# Allegro board BRD_05101_01_rev_b01_aa.brd (continued)
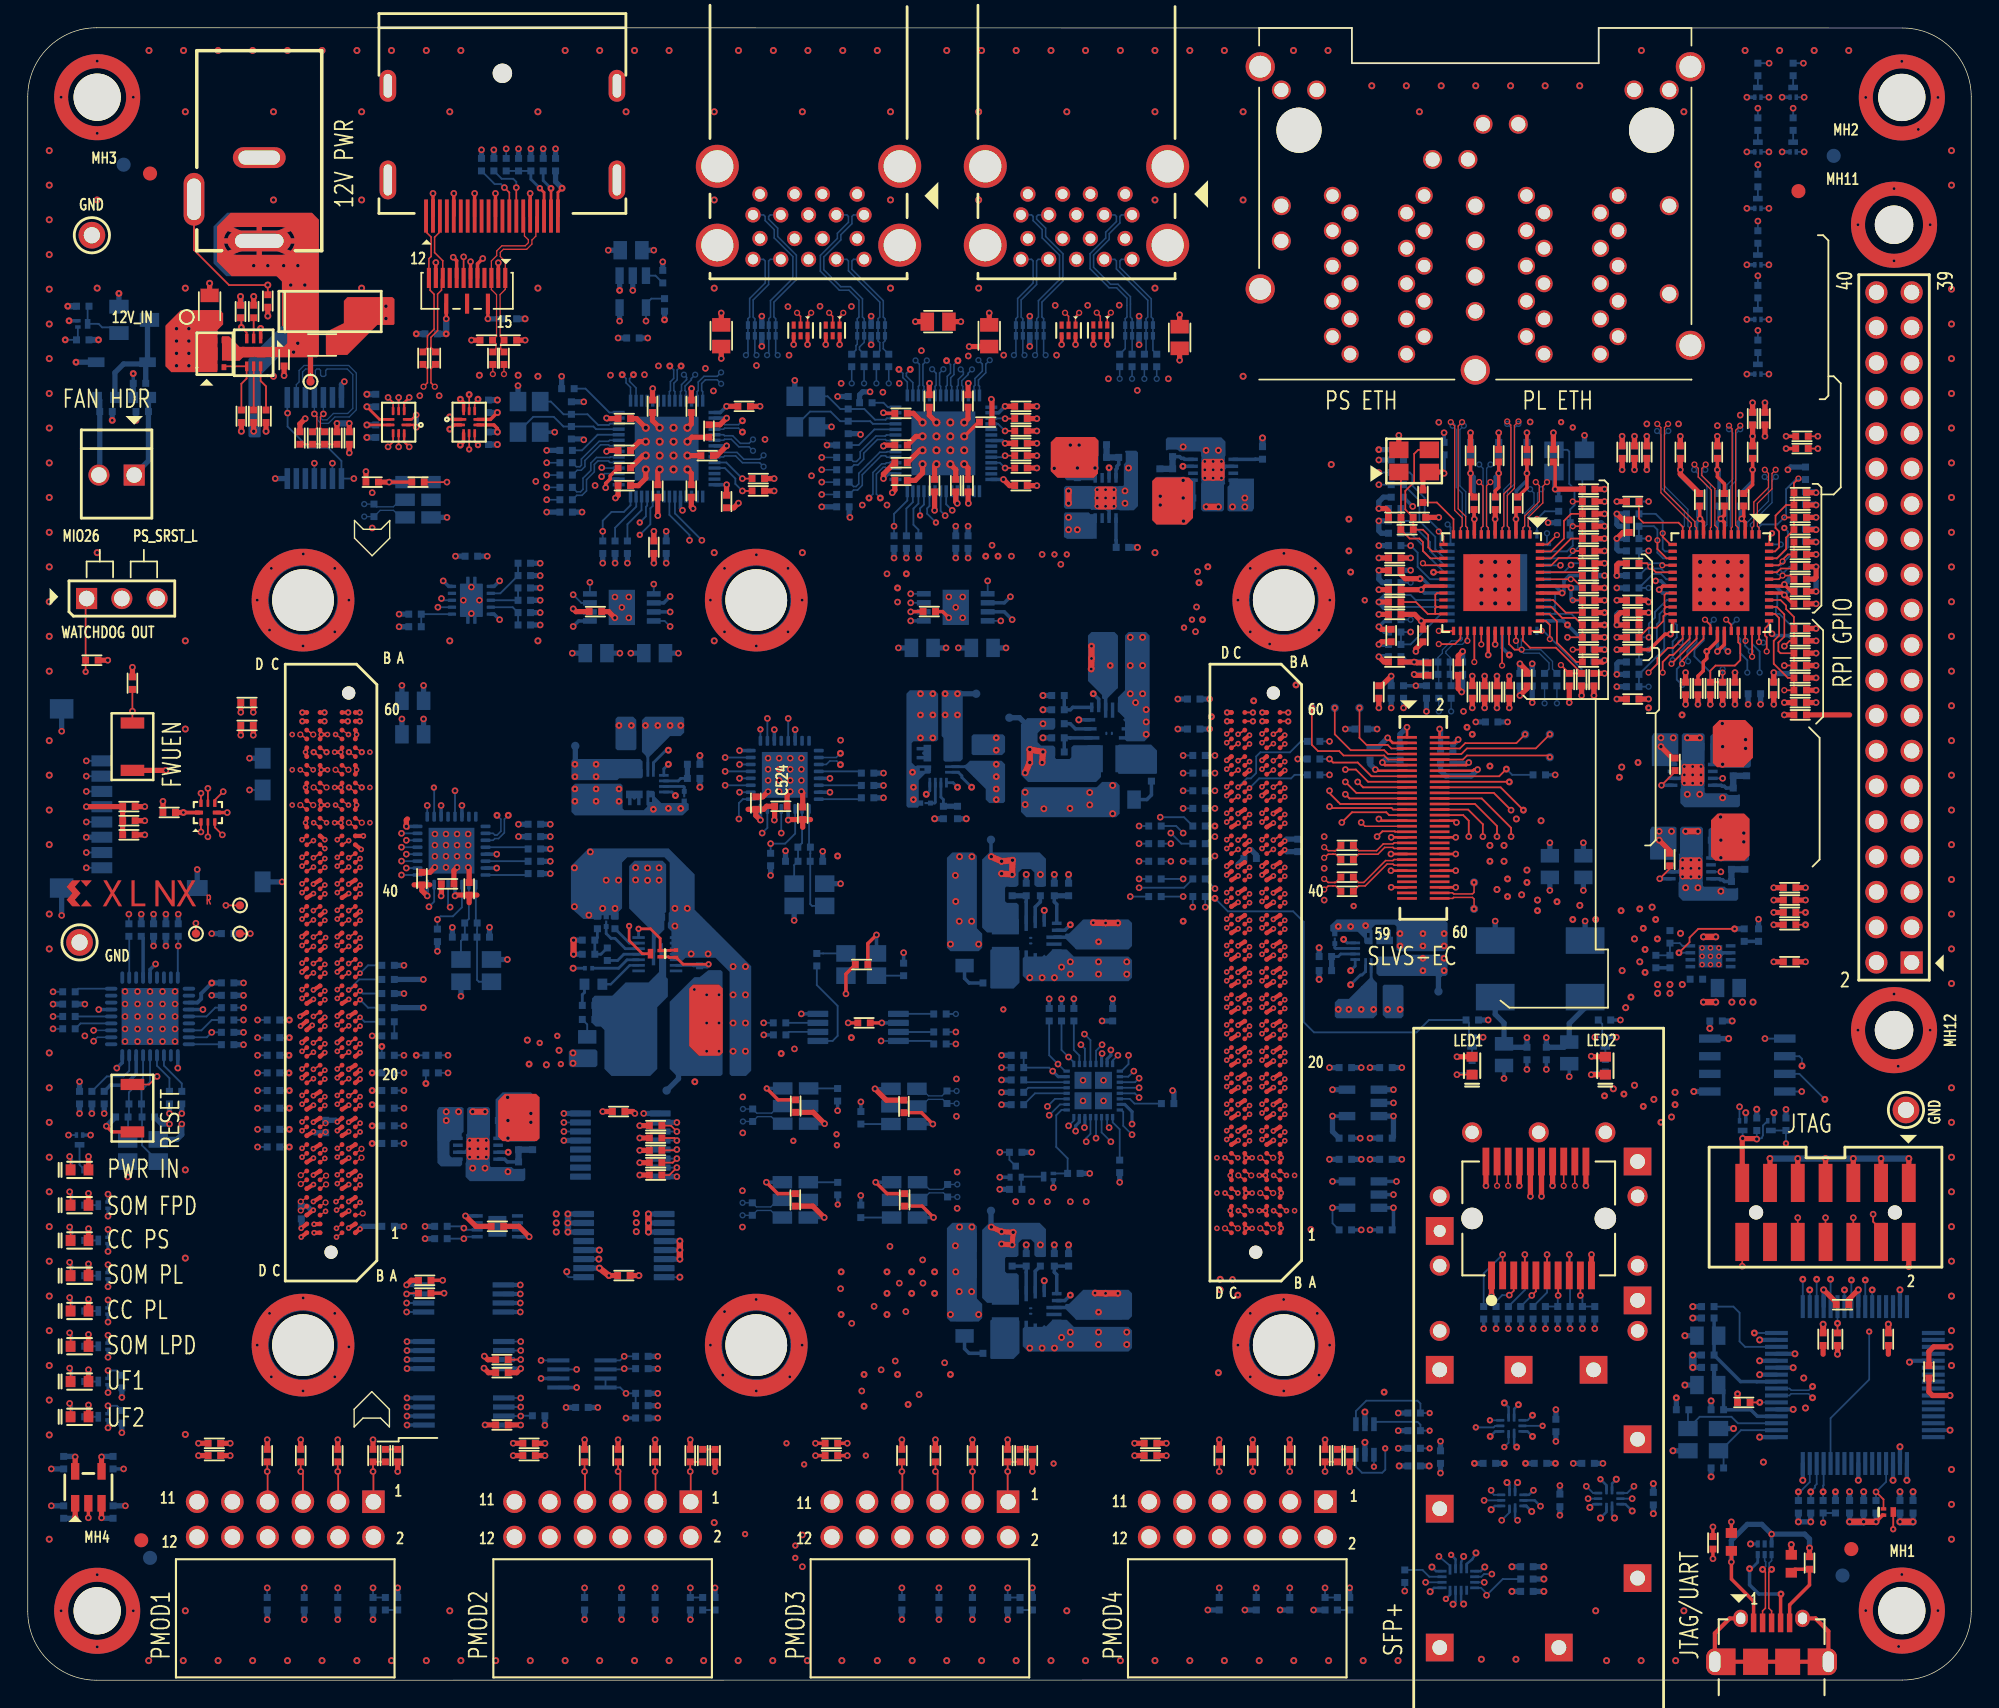
[diagram p0: board, top side]
## Routing (per net, layer and track width the routed paths; a pad name or vN(x,y) marks a point on that pad's centre or on a via; arc(x,y) is an arc through that point) (continued)
  TOP w0.381: C372.2 v5(24.87,17.32) ; v5(19.99,90.85) 19.6,90.47 R171.2 ; J23.20 v5(105.05,35.61) ; C412.2 v5(95.23,15.03) ; v9(65.46,90.57) 64.94,91.09 C520.2 ; C513.2 63.99,89.57 v9(64.46,89.57) ; J23.17 v5(107.45,35.61) ; R120.2 v5(113.59,84.88) ; C377.2 v5(19.66,17.32) ; R206.2 v5(31.97,96.5) ; C296.2 43.99,86.03 44.52,86.56 v9(44.52,87.19) ; v9(64.46,88.57) 64.26,88.57 C527.2 ; C207.2 v7(17.29,98.24) ; v9(45.52,90.19) 45,90.71 C286.2 ; C164.2 v5(97.33,70.02) ; C524.2 54.7,63.77 v5(54.93,64) ; C166.2 v5(97.33,76.75) ; C402.2 v5(70.59,17.32) ; C464.2 v5(120.32,70.28) ; v9(67.46,90.57) 67.74,90.85 C519.2 ; v5(57.4,40.08) 56.58,40.9 C589.2 ; C159.2 v5(97.33,78.53) ; R393.2 v5(128.83,85.52) ; C565.2 v5(9.74,63.29) ; C147.2 97.51,75.68 v5(97.33,75.87) ; C49.2 v7(44.02,29.14) ; C152.2 v5(104.95,70.02) ; J23.14 v5(109.85,35.61) ; v9(67.46,87.57) 67.74,87.3 C528.2 ; C469.2 v5(119.05,87.17) 119.05,86.86 C467.2 ; C578.2 v5(24.36,87.04) ; X10.4 v5(98.77,89.65) ; C525.2 52.95,63.62 v5(53.33,64) ; C417.2 v5(82.02,17.06) ; C291.2 47.53,88.18 v9(47.52,88.19) ; C284.2 50.86,84.43 v5(51.2,84.77) ; C398.2 v5(40.11,17.32) ; C324.2 v5(15.34,68.05) ; C276.2 28.97,58.18 v5(29.33,58.54) ; R392.2 v5(128.83,83.74) ; J3.11 v7(125.51,37.57) ; v5(102.03,86.91) 101.94,87 X10.2 100.5,86.54 R126.2 ; C484.2 v5(124.25,92) ; C424.2 v5(126.54,69.52) ; C74.2 43.6,40.95 v5(43.73,40.81) ; J3.3 v7(133.51,37.57) ; C588.2 61.85,41.77 v5(61.03,42.59) ; R119.2 v5(113.59,83.1) ; C234.2 v7(15.39,89.94) ; R116.2 v5(113.59,77.77) ; v5(103.3,71.17) 103.04,71.42 C156.2 ; C477.2 v5(128.83,77.52) ; v9(65.46,87.57) 65.32,87.44 C526.2 ; C165.2 108,71.42 v5(107.49,70.91) ; C295.2 44.05,89.19 v9(44.52,89.19) ; R122.2 v5(111.04,70.4) ; C479.2 v5(115.74,89.58) ; C303.2 43.86,90.85 v9(44.52,90.19) ; J23.10 v5(112.65,30.65) ; v9(45.52,87.19) 45.39,87.06 C297.2 ; C587.2 56.56,34.14 v5(57.38,33.32) ; C475.2 v5(114.47,70.66) ; C157.2 97.71,73.33 v5(97.33,73.71) ; C379.2 v5(17.25,17.32) ; J3.1 v7(135.51,37.57) ; v5(30.93,58.54) 30.7,58.31 C275.2 ; C418.2 v5(90.91,17.32) ; C238.2 v5(14.59,17.06) ; R394.2 v5(128.83,71.29) ; R389.2 v5(128.83,74.85) ; C390.2 v5(47.72,17.32) ; v9(47.52,87.19) 47.8,86.91 C300.2 ; C272.2 v5(49.96,95.18) ; C292.2 v5(52.75,91.74) ; C406.2 v5(68.05,17.32) ; C283.2 47.8,90.47 v9(47.52,90.19) ; C514.2 63.93,86.41 64.46,86.94 v9(64.46,87.57) ; C236.2 v5(7.54,72.95) ; J3.9 v7(127.51,37.57) ; R121.2 v5(113.59,74.21) ; v9(66.46,87.57) 66.85,87.18 C516.2 ; SW1.1 v5(9.95,65.52) ; R391.2 v5(128.83,81.96) ; C369.2 v5(8.43,62.91) ; v9(44.52,88.19) 44.32,88.19 C298.2 ; C517.2 v5(72.69,86.03) ; C93.2 136.95,23.67 137.29,24.01 v7(138.47,24.01) ; C486.2 v5(114.47,74.21) ; C205.2 v5(18.47,93.95) ; C482.2 v5(128.83,78.41) ; C154.2 v5(112.82,70.91) ; C577.2 v5(32.94,18.39) ; C153.2 v5(97.33,80.82) ; C476.2 114.91,82.65 v5(114.47,82.22) ; C317.2 41.85,76.95 v5(42.3,76.51) ; C426.2 v5(125.78,57.07) ; C145.2 v5(110.03,85.77) ; C235.2 v7(15.33,99.65) ; C285.2 v5(45.1,80.45) ; C370.2 v5(26.65,15.03) ; C529.2 v5(72.69,91.74) ; v5(99.87,72.44) 99.94,72.37 C146.2 ; C478.2 114.73,76.88 114.47,76.63 114.47,75.99 v5(114.47,75.99) C463.2 ; R118.2 v5(113.59,81.33) ; C294.2 v5(82.98,95.06) ; C299.2 47.84,89.51 v9(47.52,89.19) ; C465.2 v5(128.83,70.4) ; v5(31.73,58.54) 31.8,58.47 C277.2 ; C400.2 v5(72.37,15.03) ; C466.2 v5(122.98,70.28) ; J23.11 v5(112.25,35.61) ; C408.2 v5(65.38,17.32) ; C274.2 v5(67.22,97.84) ; J23.1 v5(105.45,27.71) ; C414.2 v5(93.45,17.32) ; C155.2 v5(105.84,70.02) ; R402.2 v5(114.47,84.88) ; C420.2 v5(88.24,17.32) ; C203.2 v7(13.1,100.6) ; C555.2 v5(101.65,83.74) ; R79.1 v2(123.17,20.62) ; C394.2 v5(42.52,17.32) ; C481.2 v5(114.47,77.77) ; C110.2 v5(23.16,88.38) ; C94.2 131.18,27.42 v7(131.87,28.11) ; C485.2 v5(125.78,70.28) ; C436.2 35.37,32.69 v5(36.12,31.94) ; R396.2 v5(122.09,70.28) ; v5(97.33,84.37) 97.84,84.37 98.02,84.19 C556.2 ; v9(64.46,90.57) 63.8,91.23 C530.2 ; C427.2 v5(125.78,56.18) ; R135.2 v7(16.28,99.65) ; C396.2 v5(37.26,16.18) ; C163.2 v5(97.33,79.93) ; C557.2 v5(8.43,61.9) ; R390.2 v5(128.83,73.07) ; R117.2 v5(113.58,75.1) ; v5(32.86,22.47) 33.19,22.14 C53.2 ; C474.2 v5(119.43,70.28) ; C144.2 v5(106.73,70.02) ; v5(100,74.09) 100,74.27 C162.2 ; v6(134.77,2.43) 134.78,2.41 MH1.1 ; C410.2 v5(62.97,17.32) ; C425.2 v5(125.78,51.74) ; C374.2 v5(22.33,17.32) ; C293.2 v5(67.82,96.04) ; C206.2 v7(17.16,89.94) ; v5(55.73,64) 55.83,63.9 C523.2 ; C515.2 v5(72.69,89.07) ; C388.2 v5(49.51,15.03) ; C376.2 v5(14.59,16.18) ; C416.2 v5(82.02,16.18) ; C470.2 v5(114.85,89.58) ; C422.2 v5(85.83,17.32) ; C323.2 v5(15.34,69.7) ; L5.1 v7(127.04,9.77) ; C392.2 v5(45.19,17.32) ; C468.2 v5(116.63,87.17) ; R462.2 v5(8.43,60.88) ; J3.5 v7(131.51,37.57) ; J3.7 v7(129.51,37.57) ; C158.2 v5(104.06,70.02) ; C483.2 v5(125.14,92) ; C397.2 v5(37.26,17.06)
  TOP w0.432: C97.2 v7(134.03,25.64) ; C96.2 v7(129.33,25.64)
  TOP w0.457: v7(85.77,84.5) v7(84.88,84.5) ; v7(119.43,61.13) v7(120.32,61.13) ; v7(46.97,31.63) v7(46.97,30.98) v7(46.97,30.33) ; v7(74.98,84.76) v7(74.98,85.64) ; v7(121.6,48.83) v7(120.71,48.83) ; v7(131.24,11.41) v7(132.25,11.41) v7(133.14,11.41) ; v7(134.87,11.41) v7(135.81,11.41) ; v7(119.55,67.86) v7(120.44,67.86) ; v7(121.6,53.53) v7(120.71,53.53) ; v7(32.05,40.94) v7(32.94,40.94)
  L03_SIG w0.127: 3.67,105.01 J17.1 ; J17.1 5.57,103.11 ; J17.1 4.62,105.33 ; J17.1 3.67,103.11 ; J17.1 5.89,104.06 ; J17.1 5.57,105.01 ; J17.1 4.62,102.79 ; J17.1 3.35,104.06
  L03_SIG w0.381: J6.23 27.1,114.82 ; J6.23 27.1,116.53 ; J6.23 25.94,116.53 ; J6.23 25.94,113.11 ; J6.23 27.1,113.11 ; J6.23 24.78,113.11 ; J6.23 24.78,114.82 ; J6.23 24.78,116.53 ; J2.9 15.86,12.85 ; J2.9 15.58,13.69 ; J2.9 15.58,12.01 ; J2.9 14.74,13.97 ; J2.9 13.62,12.85 ; J2.9 13.9,13.69 ; J2.9 14.74,11.74 ; J2.9 13.9,12.01 ; 36.48,10.31 J18.10 ; J18.10 36.76,9.47 ; J18.10 38.44,11.15 ; J18.10 36.76,11.15 ; J18.10 38.72,10.31 ; J18.10 38.44,9.47 ; J18.10 37.6,11.43 ; J18.10 37.6,9.2 ; J10.SH4 88.78,117.81 ; J10.SH4 87.17,116.19 ; J10.SH4 88.78,114.58 ; J10.SH4 89.97,117.38 ; J10.SH4 90.39,116.19 ; J10.SH4 87.59,117.38 ; J10.SH4 87.59,115 ; U46.22 83.66,107.48 ; U46.22 80.58,110.56 ; U46.22 84.23,109.02 ; U46.22 82.12,106.91 ; U46.22 82.12,111.13 ; U46.22 83.66,110.56 ; J2.10 14.74,11.43 ; J2.10 13.9,9.47 ; J2.10 15.86,10.31 ; J2.10 13.62,10.31 ; J2.10 14.74,9.2 ; J2.10 15.58,11.15 ; J2.10 15.58,9.47 ; J2.10 13.9,11.15 ; 88.78,98.58 J10.SH5 ; J10.SH5 87.59,101.38 ; J10.SH5 87.17,100.19 ; J10.SH5 90.39,100.19 ; J10.SH5 88.78,101.8 ; J10.SH5 89.97,101.38 ; J10.SH5 89.97,99 ; J10.SH5 87.59,99 ; 42.44,106.33 J6.21 ; J6.21 41.54,106.33 ; J6.21 42.44,109.74 ; J6.21 41.54,109.74 ; J6.21 41.54,108.04 ; J6.21 43.35,109.74 ; J6.21 43.35,108.04 ; J6.21 43.35,106.33 ; J24.10 105.33,39.45 ; J24.10 105,38.49 ; J24.10 105,40.41 ; J24.10 104.05,38.17 ; J24.10 103.09,40.41 ; J24.10 103.09,38.49 ; J24.10 104.05,40.74 ; J24.10 102.76,39.45 ; U46.21 83.66,104.88 ; U46.21 82.12,101.23 ; U46.21 84.23,103.34 ; U46.21 83.66,101.8 ; U46.21 82.12,105.45 ; J24.11 108.85,40.74 ; J24.11 107.56,39.45 ; J24.11 107.89,40.41 ; J24.11 108.85,38.17 ; J24.11 109.8,40.41 ; J24.11 109.8,38.49 ; J24.11 107.89,38.49 ; J24.11 110.13,39.45 ; 100.43,34.85 J24.9 ; J24.9 101.72,36.14 ; J24.9 102.67,33.89 ; J24.9 103,34.85 ; J24.9 102.67,35.81 ; J24.9 100.76,35.81 ; J24.9 100.76,33.89 ; J12.2 19.14,109.65 ; J12.2 14.22,108.34 ; J12.2 14.22,110.96 ; J12.2 19.14,108.34 ; J12.2 19.14,110.96 ; J12.2 16.68,108.34 ; J12.2 16.68,110.96 ; J12.2 14.22,109.65 ; 41.28,114.82 J6.22 ; J6.22 43.6,114.82 ; J6.22 41.28,116.53 ; J6.22 43.6,113.11 ; J6.22 43.6,116.53 ; J6.22 42.44,116.53 ; J6.22 42.44,113.11 ; J6.22 41.28,113.11 ; 100.16,32.35 J24.8 ; J24.8 100.56,33.51 ; J24.8 100.56,31.2 ; 25.04,109.74 J6.24 ; J6.24 25.04,106.33 ; J6.24 25.94,106.33 ; J6.24 26.85,106.33 ; J6.24 25.04,108.04 ; J6.24 25.94,109.74 ; J6.24 26.85,108.04 ; J6.24 26.85,109.74 ; 48.13,110.56 U44.19 47.67,109.87 ; 37.13,11.76 J18.9 37.6,11.74
  L03_SIG w0.457: v2(42.59,68.75) v2(43.48,68.75) ; v2(69.77,67.86) v2(69.77,66.98)
  L05_SIG w0.127: 4.62,102.79 J17.1 ; J17.1 3.67,105.01 ; J17.1 3.35,104.06 ; J17.1 5.57,105.01 ; J17.1 5.57,103.11 ; J17.1 3.67,103.11 ; J17.1 4.62,105.33 ; J17.1 5.89,104.06
  L05_SIG w0.381: J10.D10 95.97,96.2 ; J10.D10 95.97,94.79 ; J10.D10 94.33,95.49 ; J10.D10 95.26,96.42 ; J10.D10 95.26,94.57 ; J10.D10 96.19,95.49 ; J10.D10 94.55,94.79 ; 71.41,103.18 U46.13 ; U46.13 72.05,104.65 ; U46.13 71.22,103.82 ; U46.13 72.69,104.46 ; U46.13 72.88,103.82 ; U46.13 72.05,102.99 ; U46.13 71.41,104.46 ; U46.13 72.69,103.18 ; 41.54,106.33 J6.21 ; J6.21 41.54,108.04 ; J6.21 42.44,109.74 ; J6.21 43.35,108.04 ; J6.21 43.35,106.33 ; J6.21 41.54,109.74 ; J6.21 43.35,109.74 ; J6.21 42.44,106.33 ; U44.16 56.24,103.15 ; U44.16 56.88,101.68 ; U44.16 56.24,101.49 ; U44.16 55.61,101.68 ; U44.16 55.61,102.96 ; U44.16 55.42,102.32 ; U44.16 57.07,102.32 ; U44.16 56.88,102.96 ; 68.98,101.23 U46.20 ; U46.20 70.52,104.88 ; U46.20 71.09,103.34 ; U46.20 66.87,103.34 ; U46.20 68.98,105.45 ; U46.20 67.44,101.8 ; U46.20 67.44,104.88 ; U46.20 70.52,101.8 ; 87.59,117.38 J10.SH4 ; J10.SH4 89.97,117.38 ; J10.SH4 88.78,117.81 ; J10.SH4 88.78,114.58 ; J10.SH4 87.17,116.19 ; J10.SH4 87.59,115 ; J10.SH4 90.39,116.19 ; 108.52,94.79 J10.B10 ; J10.B10 108.3,95.49 ; J10.B10 109.23,94.57 ; J10.B10 110.16,95.49 ; J10.B10 109.94,94.79 ; J10.B10 109.94,96.2 ; J10.B10 109.23,96.42 ; U46.16 76.19,102.96 ; U46.16 76.38,102.32 ; U46.16 75.55,101.49 ; U46.16 76.19,101.68 ; U46.16 74.91,101.68 ; U46.16 74.91,102.96 ; U46.16 75.55,103.15 ; U46.16 74.72,102.32 ; 42.44,113.11 J6.22 ; J6.22 41.28,114.82 ; J6.22 43.6,113.11 ; J6.22 42.44,116.53 ; J6.22 41.28,113.11 ; J6.22 41.28,116.53 ; J6.22 43.6,114.82 ; J6.22 43.6,116.53 ; 98.4,95.49 J10.C10 ; J10.C10 98.62,96.2 ; J10.C10 99.32,96.42 ; J10.C10 100.03,94.79 ; J10.C10 99.32,94.57 ; J10.C10 98.62,94.79 ; J10.C10 100.25,95.49 ; 75.55,104.69 U46.7 ; U46.7 75.55,106.35 ; U46.7 76.19,104.88 ; U46.7 74.91,106.16 ; U46.7 76.19,106.16 ; U46.7 74.72,105.52 ; U46.7 76.38,105.52 ; U46.7 74.91,104.88 ; J6.23 27.1,113.11 ; J6.23 25.94,113.11 ; J6.23 24.78,116.53 ; J6.23 27.1,114.82 ; J6.23 24.78,114.82 ; J6.23 25.94,116.53 ; J6.23 24.78,113.11 ; J6.23 27.1,116.53 ; 62.81,101.23 U44.21 ; U44.21 61.27,101.8 ; U44.21 61.27,104.88 ; U44.21 64.92,103.34 ; U44.21 64.36,101.8 ; U44.21 64.36,104.88 ; U44.21 60.71,103.34 ; U44.21 62.81,105.45 ; U44.20 51.22,101.8 ; U44.20 48.13,101.8 ; U44.20 51.22,104.88 ; U44.20 48.13,104.88 ; U44.20 49.67,101.23 ; U44.20 47.57,103.34 ; U44.20 49.67,105.45 ; U44.20 51.78,103.34 ; 56.24,104.69 U44.7 ; U44.7 55.61,104.88 ; U44.7 57.07,105.52 ; U44.7 55.61,106.16 ; U44.7 56.24,106.35 ; U44.7 56.88,106.16 ; U44.7 56.88,104.88 ; U44.7 55.42,105.52 ; U44.13 53.57,103.82 ; U44.13 52.74,104.65 ; U44.13 51.92,103.82 ; U44.13 53.38,103.18 ; U44.13 52.11,104.46 ; U44.13 52.11,103.18 ; U44.13 52.74,102.99 ; U44.13 53.38,104.46 ; U46.21 84.23,103.34 ; U46.21 83.66,101.8 ; U46.21 82.12,101.23 ; U46.21 82.12,105.45 ; U46.21 83.66,104.88 ; U46.21 80.58,104.88 ; U46.21 80.01,103.34 ; U46.21 80.58,101.8 ; 25.04,106.33 J6.24 ; J6.24 25.94,106.33 ; J6.24 25.04,108.04 ; J6.24 26.85,109.74 ; J6.24 25.04,109.74 ; J6.24 25.94,109.74 ; J6.24 26.85,106.33 ; J6.24 26.85,108.04 ; 51.92,107.02 U44.4 ; U44.4 52.74,106.19 ; U44.4 52.74,107.85 ; U44.4 52.11,107.66 ; U44.4 52.11,106.38 ; U44.4 53.38,107.66 ; U44.4 53.57,107.02 ; U44.4 53.38,106.38 ; 48.13,110.56 U44.19 ; U44.19 49.67,106.91 ; U44.19 48.13,107.48 ; U44.19 51.22,110.56 ; U44.19 47.57,109.02 ; U44.19 51.22,107.48 ; U44.19 49.67,111.13 ; U44.19 51.78,109.02 ; 82.12,106.91 U46.22 ; U46.22 80.58,107.48 ; U46.22 80.01,109.02 ; U46.22 83.66,107.48 ; U46.22 83.66,110.56 ; U46.22 84.23,109.02 ; U46.22 82.12,111.13 ; U46.22 80.58,110.56 ; U46.4 72.05,107.85 ; U46.4 71.41,106.38 ; U46.4 72.88,107.02 ; U46.4 71.22,107.02 ; U46.4 72.05,106.19 ; U46.4 72.69,106.38 ; U46.4 71.41,107.66 ; U46.4 72.69,107.66 ; U46.19 70.52,110.56 ; U46.19 70.52,107.48 ; U46.19 67.44,107.48 ; U46.19 68.98,111.13 ; U46.19 71.09,109.02 ; U46.19 68.98,106.91 ; U46.19 67.44,110.56 ; U46.19 66.87,109.02 ; 16.68,108.34 J12.2 ; J12.2 14.22,109.65 ; J12.2 14.22,108.34 ; J12.2 16.68,110.96 ; J12.2 14.22,110.96 ; J12.2 19.14,108.34 ; J12.2 19.14,109.65 ; J12.2 19.14,110.96 ; J10.SH5 88.78,101.8 ; J10.SH5 87.59,101.38 ; J10.SH5 87.59,99 ; J10.SH5 89.97,101.38 ; J10.SH5 90.39,100.19 ; J10.SH5 89.97,99 ; J10.SH5 87.17,100.19 ; J10.SH5 88.78,98.58 ; 61.27,107.48 U44.22 ; U44.22 61.27,110.56 ; U44.22 62.81,111.13 ; U44.22 64.36,107.48 ; U44.22 62.81,106.91 ; U44.22 64.92,109.02 ; U44.22 64.36,110.56 ; U44.22 60.71,109.02
  L06_GND w0.127: 2.78,52.18 J16.1 ; J16.1 2.78,54.08 ; J16.1 4.68,54.08 ; J16.1 4.68,52.18 ; 134.35,42.02 J15.1 ; J15.1 134.35,40.12 ; J15.1 136.25,40.12 ; J15.1 136.25,42.02 ; 3.67,103.11 J17.1 ; J17.1 3.67,105.01 ; J17.1 5.57,105.01 ; J17.1 5.57,103.11
  L06_GND w0.381: J24.16 117.21,28.6 ; J24.16 114.72,26.11 ; J24.16 114.72,28.6 ; J24.16 117.21,26.11 ; 132.3,93.19 J21.34 ; J21.34 134.04,93.19 ; J21.34 134.04,91.46 ; J21.34 132.3,91.46 ; J24.20 117.21,6.11 ; J24.20 114.72,8.6 ; J24.20 114.72,6.11 ; J24.20 117.21,8.6 ; 134.84,62.71 J21.9 ; J21.9 134.84,60.98 ; J21.9 136.58,60.98 ; J21.9 136.58,62.71 ; J10.SH3 105.56,95.63 ; J10.SH3 102.99,95.63 ; J10.SH3 102.99,93.07 ; J10.SH3 105.56,93.07 ; 41.16,112.98 J6.22 ; J6.22 41.16,116.66 ; J6.22 43.73,112.98 ; J6.22 43.73,116.66 ; 24.66,116.66 J6.23 ; J6.23 27.23,112.98 ; J6.23 27.23,116.66 ; J6.23 24.66,112.98 ; 36.67,11.24 J18.10 ; J18.10 38.53,9.38 ; J18.10 38.53,11.24 ; J18.10 36.67,9.38 ; 14.09,108.21 J12.2 ; J12.2 19.26,111.08 ; J12.2 14.09,111.08 ; J12.2 19.26,108.21 ; 109.05,1.11 J24.1 ; J24.1 111.54,1.11 ; J24.1 109.05,3.6 ; J24.1 111.54,3.6 ; 61.18,110.65 U44.22 ; U44.22 64.45,107.39 ; U44.22 64.45,110.65 ; U44.22 61.18,107.39 ; J19.9 61.39,13.78 ; J19.9 61.39,11.92 ; J19.9 59.53,11.92 ; J19.9 59.53,13.78 ; J24.14 117.01,33.8 ; J24.14 117.01,35.9 ; J24.14 114.92,33.8 ; J24.14 114.92,35.9 ; 127.02,3.52 J4.11 ; J4.11 128.68,5.38 ; J4.11 128.68,3.52 ; J4.11 127.02,5.38 ; 25.04,106.33 J6.24 ; J6.24 25.04,109.74 ; J6.24 26.85,106.33 ; J6.24 26.85,109.74 ; 74.82,104.79 U46.7 ; U46.7 76.28,104.79 ; U46.7 74.82,106.25 ; U46.7 76.28,106.25 ; J24.4 108.64,23.6 ; J24.4 108.64,21.11 ; J24.4 106.15,21.11 ; J24.4 106.15,23.6 ; 48.04,110.65 U44.19 ; U44.19 48.04,107.39 ; U44.19 51.31,107.39 ; U44.19 51.31,110.65 ; J10.B10 110.03,94.7 ; J10.B10 110.03,96.29 ; J10.B10 108.43,94.7 ; 114.72,38.6 J24.13 ; J24.13 114.72,36.11 ; J24.13 117.21,36.11 ; J24.13 117.21,38.6 ; J21.14 134.04,66.06 ; J21.14 134.04,67.79 ; J21.14 132.3,67.79 ; J21.14 132.3,66.06 ; 100.67,28.8 J24.7 ; J24.7 100.67,30.9 ; J24.7 102.76,30.9 ; J24.7 102.76,28.8 ; J19.10 61.39,11.24 ; J19.10 61.39,9.38 ; J19.10 59.53,9.38 ; J19.10 59.53,11.24 ; 98.53,96.29 J10.C10 ; J10.C10 100.12,94.7 ; J10.C10 98.53,94.7 ; J24.18 114.04,21.11 ; J24.18 114.04,23.6 ; J24.18 111.55,21.11 ; J24.18 111.55,23.6 ; J24.15 117.01,28.8 ; J24.15 114.92,30.9 ; J24.15 114.92,28.8 ; J24.15 117.01,30.9 ; J21.25 136.58,81.3 ; J21.25 136.58,83.03 ; J21.25 134.84,83.03 ; J21.25 134.84,81.3 ; J21.6 134.04,55.9 ; J21.6 132.3,57.63 ; J21.6 134.04,57.63 ; J21.6 132.3,55.9 ; J10.SH1 121.05,117.47 ; J10.SH1 121.05,114.91 ; J10.SH1 118.49,117.47 ; J4.10 124.23,3.52 ; J4.10 122.57,3.52 ; J4.10 124.23,5.38 ; J4.10 122.57,5.38 ; 114.72,18.6 J24.19 ; J24.19 117.21,16.11 ; J24.19 114.72,16.11 ; J24.19 117.21,18.6 ; J24.10 105.09,38.4 ; J24.10 103,40.5 ; J24.10 105.09,40.5 ; J24.10 103,38.4 ; 132.3,88.11 J21.30 ; J21.30 132.3,86.38 ; J21.30 134.04,86.38 ; J21.30 134.04,88.11 ; 87.5,98.91 J10.SH5 ; J10.SH5 90.06,101.47 ; J10.SH5 90.06,98.91 ; J10.SH5 87.5,101.47 ; 71.32,107.75 U46.4 ; U46.4 71.32,106.29 ; U46.4 72.78,107.75 ; U46.4 72.78,106.29 ; J24.9 102.76,33.8 ; J24.9 102.76,35.9 ; J24.9 100.67,35.9 ; J24.9 100.67,33.8 ; 82.39,11.92 J20.9 ; J20.9 84.25,13.78 ; J20.9 84.25,11.92 ; J20.9 82.39,13.78 ; 128.79,2.58 J4.6 130.63,2.58 ; J18.9 38.53,11.92 ; J18.9 38.53,13.78 ; J18.9 36.67,11.92 ; J18.9 36.67,13.78 ; J24.6 102.76,24.1 ; J24.6 100.67,24.1 ; J24.6 102.76,26.2 ; J24.6 100.67,26.2 ; 80.49,110.65 U46.22 ; U46.22 83.75,110.65 ; U46.22 83.75,107.39 ; U46.22 80.49,107.39 ; 134.84,99.08 J21.39 ; J21.39 136.58,100.81 ; J21.39 136.58,99.08 ; J21.39 134.84,100.81 ; 67.35,107.39 U46.19 ; U46.19 67.35,110.65 ; U46.19 70.61,107.39 ; U46.19 70.61,110.65 ; 71.32,104.55 U46.13 ; U46.13 72.78,104.55 ; U46.13 71.32,103.09 ; U46.13 72.78,103.09 ; 100.47,1.11 J24.2 ; J24.2 102.96,3.6 ; J24.2 102.96,1.11 ; J24.2 100.47,3.6 ; J6.21 43.35,109.74 ; J6.21 41.54,106.33 ; J6.21 43.35,106.33 ; J6.21 41.54,109.74 ; J10.SH2 121.05,94.85 ; J10.SH2 118.49,97.41 ; J10.SH2 118.49,94.85 ; J10.SH2 121.05,97.41 ; 100.47,21.11 J24.5 ; J24.5 102.96,21.11 ; J24.5 100.47,23.6 ; J24.5 102.96,23.6 ; 100.47,33.6 J24.8 ; J24.8 102.96,31.11 ; J24.8 100.47,31.11 ; J10.A10 114.09,94.7 ; J10.A10 112.5,94.7 ; J10.A10 112.5,96.29 ; J10.D10 96.06,96.29 ; J10.D10 94.46,94.7 ; J10.D10 96.06,94.7 ; 117.01,24.1 J24.17 114.92,24.1 ; 100.47,11.11 J24.3 ; J24.3 100.47,13.6 ; J24.3 102.96,13.6 ; J24.3 102.96,11.11 ; 107.8,38.4 J24.11 ; J24.11 107.8,40.5 ; J24.11 109.89,40.5 ; J24.11 109.89,38.4 ; J24.12 114.69,38.4 ; J24.12 112.6,38.4 ; J24.12 114.69,40.5 ; J24.12 112.6,40.5 ; 122.45,2.58 J4.9 120.61,2.58 ; 132.3,75.41 J21.20 ; J21.20 134.04,75.41 ; J21.20 132.3,73.68 ; J21.20 134.04,73.68 ; J20.10 84.25,9.38 ; J20.10 82.39,11.24 ; J20.10 84.25,11.24 ; J20.10 82.39,9.38 ; 87.5,114.91 J10.SH4 ; J10.SH4 90.06,117.47 ; J10.SH4 87.5,117.47
  L07_PWR w0.127: 3.58,105.1 J17.1 ; J17.1 4.62,102.66 ; J17.1 5.66,105.1 ; J17.1 4.62,105.46 ; J17.1 5.66,103.02 ; J17.1 6.02,104.06 ; J17.1 3.58,103.02 ; J17.1 3.22,104.06
  L07_PWR w0.381: 100.03,12.35 J24.3 ; J24.3 101.72,14.04 ; J24.3 102.96,13.6 ; J24.3 100.47,13.6 ; J24.3 101.72,10.67 ; J24.3 102.96,11.11 ; J24.3 100.47,11.11 ; J24.3 103.4,12.35 ; 87.5,98.91 J10.SH5 ; J10.SH5 90.06,98.91 ; J10.SH5 87.5,101.47 ; J10.SH5 88.78,98.45 ; J10.SH5 88.78,101.93 ; J10.SH5 90.52,100.19 ; J10.SH5 90.06,101.47 ; J6.23 25.94,116.66 ; J6.23 27.23,116.66 ; J6.23 27.23,114.82 ; J6.23 25.94,112.98 ; J6.23 24.66,112.98 ; J6.23 24.66,116.66 ; J6.23 27.23,112.98 ; J6.23 24.66,114.82 ; J10.C10 100.12,94.7 ; J10.C10 98.53,96.29 ; J10.C10 98.53,94.7 ; J10.C10 99.32,96.55 ; J10.C10 99.32,94.44 ; J10.C10 98.27,95.49 ; J10.C10 100.38,95.49 ; J12.2 19.26,109.65 ; J12.2 14.09,109.65 ; J12.2 14.09,108.21 ; J12.2 16.68,108.21 ; J12.2 19.26,108.21 ; J12.2 19.26,111.08 ; J12.2 16.68,111.08 ; J12.2 14.09,111.08 ; J24.2 102.96,3.6 ; J24.2 103.4,2.35 ; J24.2 100.03,2.35 ; J24.2 100.47,3.6 ; J24.2 101.72,4.04 ; 114.72,6.11 J24.20 ; J24.20 114.28,7.35 ; J24.20 115.97,5.67 ; J24.20 117.21,6.11 ; J24.20 117.65,7.35 ; J24.20 115.97,9.04 ; J24.20 114.72,8.6 ; J24.20 117.21,8.6 ; 87.5,117.47 J10.SH4 ; J10.SH4 88.78,114.45 ; J10.SH4 90.06,117.47 ; J10.SH4 87.04,116.19 ; J10.SH4 90.52,116.19 ; J10.SH4 87.5,114.91 ; 42.44,112.98 J6.22 ; J6.22 43.73,114.82 ; J6.22 41.16,116.66 ; J6.22 43.73,112.98 ; J6.22 41.16,114.82 ; J6.22 42.44,116.66 ; J6.22 43.73,116.66 ; J6.22 41.16,112.98 ; J4.11 128.81,5.51 ; J4.11 127.85,5.51 ; J4.11 126.89,5.51 ; J4.11 126.89,4.45 ; J4.11 127.85,3.4 ; J4.11 126.89,3.4 ; J4.11 128.81,3.4 ; J4.11 128.81,4.45 ; J6.24 25.94,109.87 ; J6.24 26.97,108.04 ; J6.24 25.94,106.21 ; J6.24 26.97,109.87 ; J6.24 24.91,109.87 ; J6.24 24.91,106.21 ; J6.24 26.97,106.21 ; J6.24 24.91,108.04 ; 122.44,4.45 J4.10 ; J4.10 122.44,3.4 ; J4.10 124.35,5.51 ; J4.10 123.4,5.51 ; J4.10 122.44,5.51 ; J4.10 123.4,3.4 ; J4.10 124.35,4.45 ; J4.10 124.35,3.4 ; 94.2,95.49 J10.D10 ; J10.D10 95.26,94.44 ; J10.D10 94.46,94.7 ; J10.D10 95.26,96.55 ; J10.D10 96.06,96.29 ; J10.D10 96.31,95.49 ; J10.D10 96.06,94.7 ; 109.05,3.6 J24.1 ; J24.1 110.3,4.04 ; J24.1 111.54,3.6 ; J24.1 111.98,2.35 ; J24.1 108.61,2.35
  L08_PWR w0.381: 134.56,99.94 J21.39 ; J21.39 136.58,100.81 ; J21.39 135.71,101.1 ; J21.39 134.84,100.81 ; J21.39 136.58,99.08 ; J21.39 135.71,98.79 ; J21.39 136.87,99.94 ; J21.39 134.84,99.08 ; J20.9 83.32,14.1 ; J20.9 84.56,12.85 ; J20.9 83.32,11.61 ; J20.9 82.39,11.92 ; J20.9 82.39,13.78 ; J20.9 84.25,13.78 ; J20.9 82.08,12.85 ; J20.9 84.25,11.92 ; J20.10 83.32,11.56 ; J20.10 84.56,10.31 ; J20.10 82.08,10.31 ; J20.10 84.25,9.38 ; J20.10 83.32,9.07 ; J20.10 82.39,11.24 ; J20.10 82.39,9.38 ; J20.10 84.25,11.24 ; J18.9 38.53,13.78 ; J18.9 36.67,13.78 ; J18.9 38.84,12.85 ; J18.9 37.6,14.1 ; J18.9 36.67,11.92 ; J18.9 36.36,12.85 ; J18.9 37.6,11.61 ; J18.9 38.53,11.92 ; 36.36,10.31 J18.10 ; J18.10 38.53,11.24 ; J18.10 37.6,9.07 ; J18.10 37.6,11.56 ; J18.10 36.67,9.38 ; J18.10 36.67,11.24 ; J18.10 38.84,10.31 ; J18.10 38.53,9.38 ; J19.10 61.7,10.31 ; J19.10 59.53,11.24 ; J19.10 61.39,9.38 ; J19.10 60.46,9.07 ; J19.10 61.39,11.24 ; J19.10 59.22,10.31 ; J19.10 60.46,11.56 ; J19.10 59.53,9.38 ; 59.22,12.85 J19.9 ; J19.9 61.7,12.85 ; J19.9 60.46,11.61 ; J19.9 60.46,14.1 ; J19.9 59.53,11.92 ; J19.9 61.39,13.78 ; J19.9 59.53,13.78 ; J19.9 61.39,11.92 ; J10.SH1 121.05,114.91 ; J10.SH1 118.03,116.19 ; J10.SH1 119.77,114.45 ; J10.SH1 118.49,117.47 ; J10.SH1 121.05,117.47 ; J10.SH1 121.51,116.19
  L09_GND w0.127: J15.1 136.25,40.12 ; J15.1 136.25,42.02 ; J15.1 134.35,42.02 ; J15.1 134.35,40.12 ; 3.67,103.11 J17.1 ; J17.1 5.57,105.01 ; J17.1 5.57,103.11 ; J17.1 3.67,105.01 ; 2.78,54.08 J16.1 ; J16.1 4.68,52.18 ; J16.1 4.68,54.08 ; J16.1 2.78,52.18
  L09_GND w0.381: J6.21 43.35,106.33 ; J6.21 43.35,109.74 ; J6.21 41.54,106.33 ; J6.21 41.54,109.74 ; J24.4 108.64,23.6 ; J24.4 106.15,23.6 ; J24.4 108.64,21.11 ; J24.4 106.15,21.11 ; 134.84,62.71 J21.9 ; J21.9 134.84,60.98 ; J21.9 136.58,62.71 ; J21.9 136.58,60.98 ; U46.7 76.28,106.25 ; U46.7 74.82,106.25 ; U46.7 74.82,104.79 ; U46.7 76.28,104.79 ; J10.SH1 121.05,117.47 ; J10.SH1 118.49,117.47 ; J10.SH1 121.05,114.91 ; J21.25 136.58,81.3 ; J21.25 134.84,81.3 ; J21.25 134.84,83.03 ; J21.25 136.58,83.03 ; J6.24 26.85,106.33 ; J6.24 26.85,109.74 ; J6.24 25.04,106.33 ; J6.24 25.04,109.74 ; 80.49,110.65 U46.22 ; U46.22 83.75,107.39 ; U46.22 83.75,110.65 ; U46.22 80.49,107.39 ; J12.2 19.26,108.21 ; J12.2 14.09,108.21 ; J12.2 14.09,111.08 ; J12.2 19.26,111.08 ; 94.46,94.7 J10.D10 ; J10.D10 96.06,96.29 ; J10.D10 96.06,94.7 ; J6.22 43.73,112.98 ; J6.22 41.16,116.66 ; J6.22 43.73,116.66 ; J6.22 41.16,112.98 ; U46.4 72.78,107.75 ; U46.4 71.32,106.29 ; U46.4 72.78,106.29 ; U46.4 71.32,107.75 ; J10.SH5 90.06,101.47 ; J10.SH5 87.5,101.47 ; J10.SH5 90.06,98.91 ; J10.SH5 87.5,98.91 ; 59.53,9.38 J19.10 ; J19.10 61.39,9.38 ; J19.10 59.53,11.24 ; J19.10 61.39,11.24 ; J24.19 117.21,18.6 ; J24.19 117.21,16.11 ; J24.19 114.72,18.6 ; J24.19 114.72,16.11 ; 112.6,38.4 J24.12 ; J24.12 114.69,40.5 ; J24.12 114.69,38.4 ; J24.12 112.6,40.5 ; J24.14 117.01,33.8 ; J24.14 117.01,35.9 ; J24.14 114.92,35.9 ; J24.14 114.92,33.8 ; 48.04,107.39 U44.19 ; U44.19 51.31,110.65 ; U44.19 48.04,110.65 ; U44.19 51.31,107.39 ; U46.13 72.78,103.09 ; U46.13 71.32,103.09 ; U46.13 72.78,104.55 ; U46.13 71.32,104.55 ; J24.20 117.21,6.11 ; J24.20 114.72,8.6 ; J24.20 117.21,8.6 ; J24.20 114.72,6.11 ; U44.22 64.45,110.65 ; U44.22 61.18,107.39 ; U44.22 64.45,107.39 ; U44.22 61.18,110.65 ; 100.67,28.8 J24.7 ; J24.7 102.76,28.8 ; J24.7 102.76,30.9 ; J24.7 100.67,30.9 ; J20.9 84.25,11.92 ; J20.9 82.39,13.78 ; J20.9 82.39,11.92 ; J20.9 84.25,13.78 ; 111.55,21.11 J24.18 ; J24.18 114.04,23.6 ; J24.18 114.04,21.11 ; J24.18 111.55,23.6 ; 82.39,9.38 J20.10 ; J20.10 84.25,9.38 ; J20.10 84.25,11.24 ; J20.10 82.39,11.24 ; 112.5,94.7 J10.A10 ; J10.A10 112.5,96.29 ; J10.A10 114.09,94.7 ; J21.20 134.04,75.41 ; J21.20 132.3,75.41 ; J21.20 134.04,73.68 ; J21.20 132.3,73.68 ; J10.B10 110.03,96.29 ; J10.B10 110.03,94.7 ; J10.B10 108.43,94.7 ; 24.66,112.98 J6.23 ; J6.23 27.23,112.98 ; J6.23 24.66,116.66 ; J6.23 27.23,116.66 ; 103,40.5 J24.10 ; J24.10 103,38.4 ; J24.10 105.09,40.5 ; J24.10 105.09,38.4 ; 127.02,5.38 J4.11 ; J4.11 128.68,3.52 ; J4.11 128.68,5.38 ; J4.11 127.02,3.52 ; 132.3,67.79 J21.14 ; J21.14 134.04,66.06 ; J21.14 132.3,66.06 ; J21.14 134.04,67.79 ; J24.8 102.96,31.11 ; J24.8 100.47,31.11 ; J24.8 100.47,33.6 ; J24.5 102.96,21.11 ; J24.5 102.96,23.6 ; J24.5 100.47,21.11 ; J24.5 100.47,23.6 ; 59.53,13.78 J19.9 ; J19.9 61.39,13.78 ; J19.9 59.53,11.92 ; J19.9 61.39,11.92 ; 118.49,94.85 J10.SH2 ; J10.SH2 118.49,97.41 ; J10.SH2 121.05,94.85 ; J10.SH2 121.05,97.41 ; J24.16 117.21,26.11 ; J24.16 114.72,26.11 ; J24.16 117.21,28.6 ; J24.16 114.72,28.6 ; 74.82,103.05 U46.16 ; U46.16 76.28,101.59 ; U46.16 74.82,101.59 ; U46.16 76.28,103.05 ; 87.5,117.47 J10.SH4 ; J10.SH4 90.06,117.47 ; J10.SH4 87.5,114.91 ; 120.61,2.58 J4.9 122.45,2.58 ; 100.67,26.2 J24.6 ; J24.6 102.76,24.1 ; J24.6 100.67,24.1 ; J24.6 102.76,26.2 ; 114.72,38.6 J24.13 ; J24.13 117.21,38.6 ; J24.13 117.21,36.11 ; J24.13 114.72,36.11 ; 109.05,3.6 J24.1 ; J24.1 111.54,1.11 ; J24.1 109.05,1.11 ; J24.1 111.54,3.6 ; J10.C10 100.12,94.7 ; J10.C10 98.53,94.7 ; J10.C10 98.53,96.29 ; J21.34 134.04,93.19 ; J21.34 134.04,91.46 ; J21.34 132.3,93.19 ; J21.34 132.3,91.46 ; 36.67,11.92 J18.9 ; J18.9 38.53,13.78 ; J18.9 36.67,13.78 ; J18.9 38.53,11.92 ; 128.79,2.58 J4.6 130.63,2.58 ; 36.67,11.24 J18.10 ; J18.10 38.53,9.38 ; J18.10 38.53,11.24 ; J18.10 36.67,9.38 ; 102.99,95.63 J10.SH3 ; J10.SH3 105.56,93.07 ; J10.SH3 105.56,95.63 ; J10.SH3 102.99,93.07 ; J24.2 102.96,1.11 ; J24.2 102.96,3.6 ; J24.2 100.47,3.6 ; J24.2 100.47,1.11 ; 67.35,107.39 U46.19 ; U46.19 70.61,110.65 ; U46.19 67.35,110.65 ; U46.19 70.61,107.39 ; 100.47,13.6 J24.3 ; J24.3 100.47,11.11 ; J24.3 102.96,11.11 ; J24.3 102.96,13.6 ; 100.67,33.8 J24.9 ; J24.9 102.76,35.9 ; J24.9 100.67,35.9 ; J24.9 102.76,33.8 ; J21.6 134.04,57.63 ; J21.6 134.04,55.9 ; J21.6 132.3,57.63 ; J21.6 132.3,55.9 ; J24.11 109.89,38.4 ; J24.11 107.8,40.5 ; J24.11 107.8,38.4 ; J24.11 109.89,40.5 ; 114.92,30.9 J24.15 ; J24.15 114.92,28.8 ; J24.15 117.01,30.9 ; J24.15 117.01,28.8 ; J4.10 124.23,5.38 ; J4.10 124.23,3.52 ; J4.10 122.57,5.38 ; J4.10 122.57,3.52 ; J21.30 134.04,86.38 ; J21.30 132.3,88.11 ; J21.30 132.3,86.38 ; J21.30 134.04,88.11 ; J21.39 136.58,100.81 ; J21.39 134.84,100.81 ; J21.39 134.84,99.08 ; J21.39 136.58,99.08 ; 117.01,24.1 J24.17 114.92,24.1
  L10_SIG w0.127: 4.62,102.79 J17.1 ; J17.1 5.89,104.06 ; J17.1 5.57,103.11 ; J17.1 3.67,103.11 ; J17.1 3.67,105.01 ; J17.1 5.57,105.01 ; J17.1 3.35,104.06 ; J17.1 4.62,105.33
  L10_SIG w0.381: 25.04,109.74 J6.24 ; J6.24 25.94,109.74 ; J6.24 26.85,109.74 ; J6.24 25.04,106.33 ; J6.24 25.94,106.33 ; J6.24 25.04,108.04 ; J6.24 26.85,108.04 ; J6.24 26.85,106.33 ; 36.76,9.47 J18.10 ; J18.10 37.6,11.43 ; J18.10 38.44,9.47 ; J18.10 36.76,11.15 ; J18.10 38.72,10.31 ; J18.10 38.44,11.15 ; J18.10 36.48,10.31 ; J18.10 37.6,9.2 ; 52.11,103.18 U44.13 ; U44.13 53.38,104.46 ; U44.13 51.92,103.82 ; U44.13 53.57,103.82 ; U44.13 52.74,104.65 ; U44.13 52.11,104.46 ; U44.13 52.74,102.99 ; U44.13 53.38,103.18 ; 61.27,101.8 U44.21 ; U44.21 64.36,104.88 ; U44.21 64.36,101.8 ; U44.21 62.81,101.23 ; U44.21 61.27,104.88 ; U44.21 64.92,103.34 ; U44.21 60.71,103.34 ; U44.21 62.81,105.45 ; U44.20 51.78,103.34 ; U44.20 48.13,104.88 ; U44.20 51.22,101.8 ; U44.20 49.67,101.23 ; U44.20 48.13,101.8 ; U44.20 49.67,105.45 ; U44.20 47.57,103.34 ; U44.20 51.22,104.88 ; U44.7 56.88,106.16 ; U44.7 55.42,105.52 ; U44.7 56.88,104.88 ; U44.7 56.24,106.35 ; U44.7 55.61,104.88 ; U44.7 56.24,104.69 ; U44.7 57.07,105.52 ; U44.7 55.61,106.16 ; J6.23 25.94,116.53 ; J6.23 27.1,113.11 ; J6.23 24.78,113.11 ; J6.23 24.78,114.82 ; J6.23 27.1,114.82 ; J6.23 27.1,116.53 ; J6.23 24.78,116.53 ; J6.23 25.94,113.11 ; 56.24,101.49 U44.16 ; U44.16 57.07,102.32 ; U44.16 55.61,101.68 ; U44.16 56.88,101.68 ; U44.16 55.61,102.96 ; U44.16 55.42,102.32 ; U44.16 56.24,103.15 ; U44.16 56.88,102.96 ; 36.76,12.01 J18.9 ; J18.9 36.48,12.85 ; J18.9 38.72,12.85 ; J18.9 37.6,11.74 ; J18.9 37.6,13.97 ; J18.9 36.76,13.69 ; J18.9 38.44,12.01 ; J18.9 38.44,13.69 ; J6.21 43.35,108.04 ; J6.21 42.44,106.33 ; J6.21 43.35,106.33 ; J6.21 42.44,109.74 ; J6.21 41.54,109.74 ; J6.21 41.54,106.33 ; J6.21 43.35,109.74 ; J6.21 41.54,108.04 ; 71.41,106.38 U46.4 ; U46.4 72.69,107.66 ; U46.4 72.05,107.85 ; U46.4 71.41,107.66 ; U46.4 72.88,107.02 ; U46.4 72.05,106.19 ; U46.4 71.22,107.02 ; U46.4 72.69,106.38 ; 41.28,113.11 J6.22 ; J6.22 42.44,113.11 ; J6.22 43.6,114.82 ; J6.22 43.6,113.11 ; J6.22 43.6,116.53 ; J6.22 41.28,114.82 ; J6.22 42.44,116.53 ; J6.22 41.28,116.53 ; U46.13 72.88,103.82 ; U46.13 72.69,104.46 ; U46.13 71.41,103.18 ; U46.13 72.05,104.65 ; U46.13 71.41,104.46 ; U46.13 71.22,103.82 ; U46.13 72.05,102.99 ; U46.13 72.69,103.18 ; 49.67,106.91 U44.19 ; U44.19 51.78,109.02 ; U44.19 49.67,111.13 ; U44.19 48.13,107.48 ; U44.19 51.22,107.48 ; U44.19 48.13,110.56 ; U44.19 51.22,110.56 ; U44.19 47.57,109.02 ; U46.20 71.09,103.34 ; U46.20 68.98,105.45 ; U46.20 67.44,104.88 ; U46.20 70.52,101.8 ; U46.20 67.44,101.8 ; U46.20 66.87,103.34 ; U46.20 70.52,104.88 ; U46.20 68.98,101.23 ; 14.22,108.34 J12.2 ; J12.2 16.68,108.34 ; J12.2 14.22,109.65 ; J12.2 16.68,110.96 ; J12.2 19.14,109.65 ; J12.2 14.22,110.96 ; J12.2 19.14,110.96 ; J12.2 19.14,108.34 ; 62.81,106.91 U44.22 ; U44.22 64.36,107.48 ; U44.22 61.27,107.48 ; U44.22 64.92,109.02 ; U44.22 60.71,109.02 ; U44.22 64.36,110.56 ; U44.22 61.27,110.56 ; U44.22 62.81,111.13 ; 13.9,12.01 J2.9 ; J2.9 15.58,12.01 ; J2.9 13.9,13.69 ; J2.9 14.74,13.97 ; J2.9 15.58,13.69 ; J2.9 14.74,11.74 ; J2.9 15.86,12.85 ; J2.9 13.62,12.85 ; 13.9,11.15 J2.10 ; J2.10 15.86,10.31 ; J2.10 15.58,11.15 ; J2.10 13.9,9.47 ; J2.10 14.74,11.43 ; J2.10 13.62,10.31 ; J2.10 15.58,9.47 ; J2.10 14.74,9.2 ; U46.7 76.38,105.52 ; U46.7 74.91,104.88 ; U46.7 74.72,105.52 ; U46.7 75.55,106.35 ; U46.7 74.91,106.16 ; U46.7 76.19,104.88 ; U46.7 76.19,106.16 ; U46.7 75.55,104.69 ; 80.58,110.56 U46.22 ; U46.22 82.12,111.13 ; U46.22 84.23,109.02 ; U46.22 80.58,107.48 ; U46.22 83.66,110.56 ; U46.22 83.66,107.48 ; U46.22 82.12,106.91 ; U46.22 80.01,109.02 ; U46.19 71.09,109.02 ; U46.19 70.52,110.56 ; U46.19 68.98,106.91 ; U46.19 67.44,107.48 ; U46.19 68.98,111.13 ; U46.19 70.52,107.48 ; U46.19 66.87,109.02 ; U46.19 67.44,110.56 ; 80.01,103.34 U46.21 ; U46.21 82.12,105.45 ; U46.21 83.66,104.88 ; U46.21 83.66,101.8 ; U46.21 80.58,101.8 ; U46.21 80.58,104.88 ; U46.21 84.23,103.34 ; U46.21 82.12,101.23 ; U44.4 52.74,107.85 ; U44.4 52.11,107.66 ; U44.4 52.11,106.38 ; U44.4 53.57,107.02 ; U44.4 53.38,106.38 ; U44.4 51.92,107.02 ; U44.4 52.74,106.19 ; U44.4 53.38,107.66 ; U46.16 76.19,102.96 ; U46.16 75.55,101.49 ; U46.16 75.55,103.15 ; U46.16 74.91,102.96 ; U46.16 74.91,101.68 ; U46.16 76.19,101.68 ; U46.16 74.72,102.32 ; U46.16 76.38,102.32